# Altium PCB SPEC-A7.PcbDoc (part 3 of 10)
Units mil, origin at the board's own origin, x right, y up, seen from the top; angles counter-clockwise.
Board outline 6299.21 x 3937.01 mil, 6 copper layers (Top Layer, L2, L3, L4, L5, Bottom Layer), stack 61.319 mil thick; 731 components, 479 nets, 2733 pads, 1703 vias.
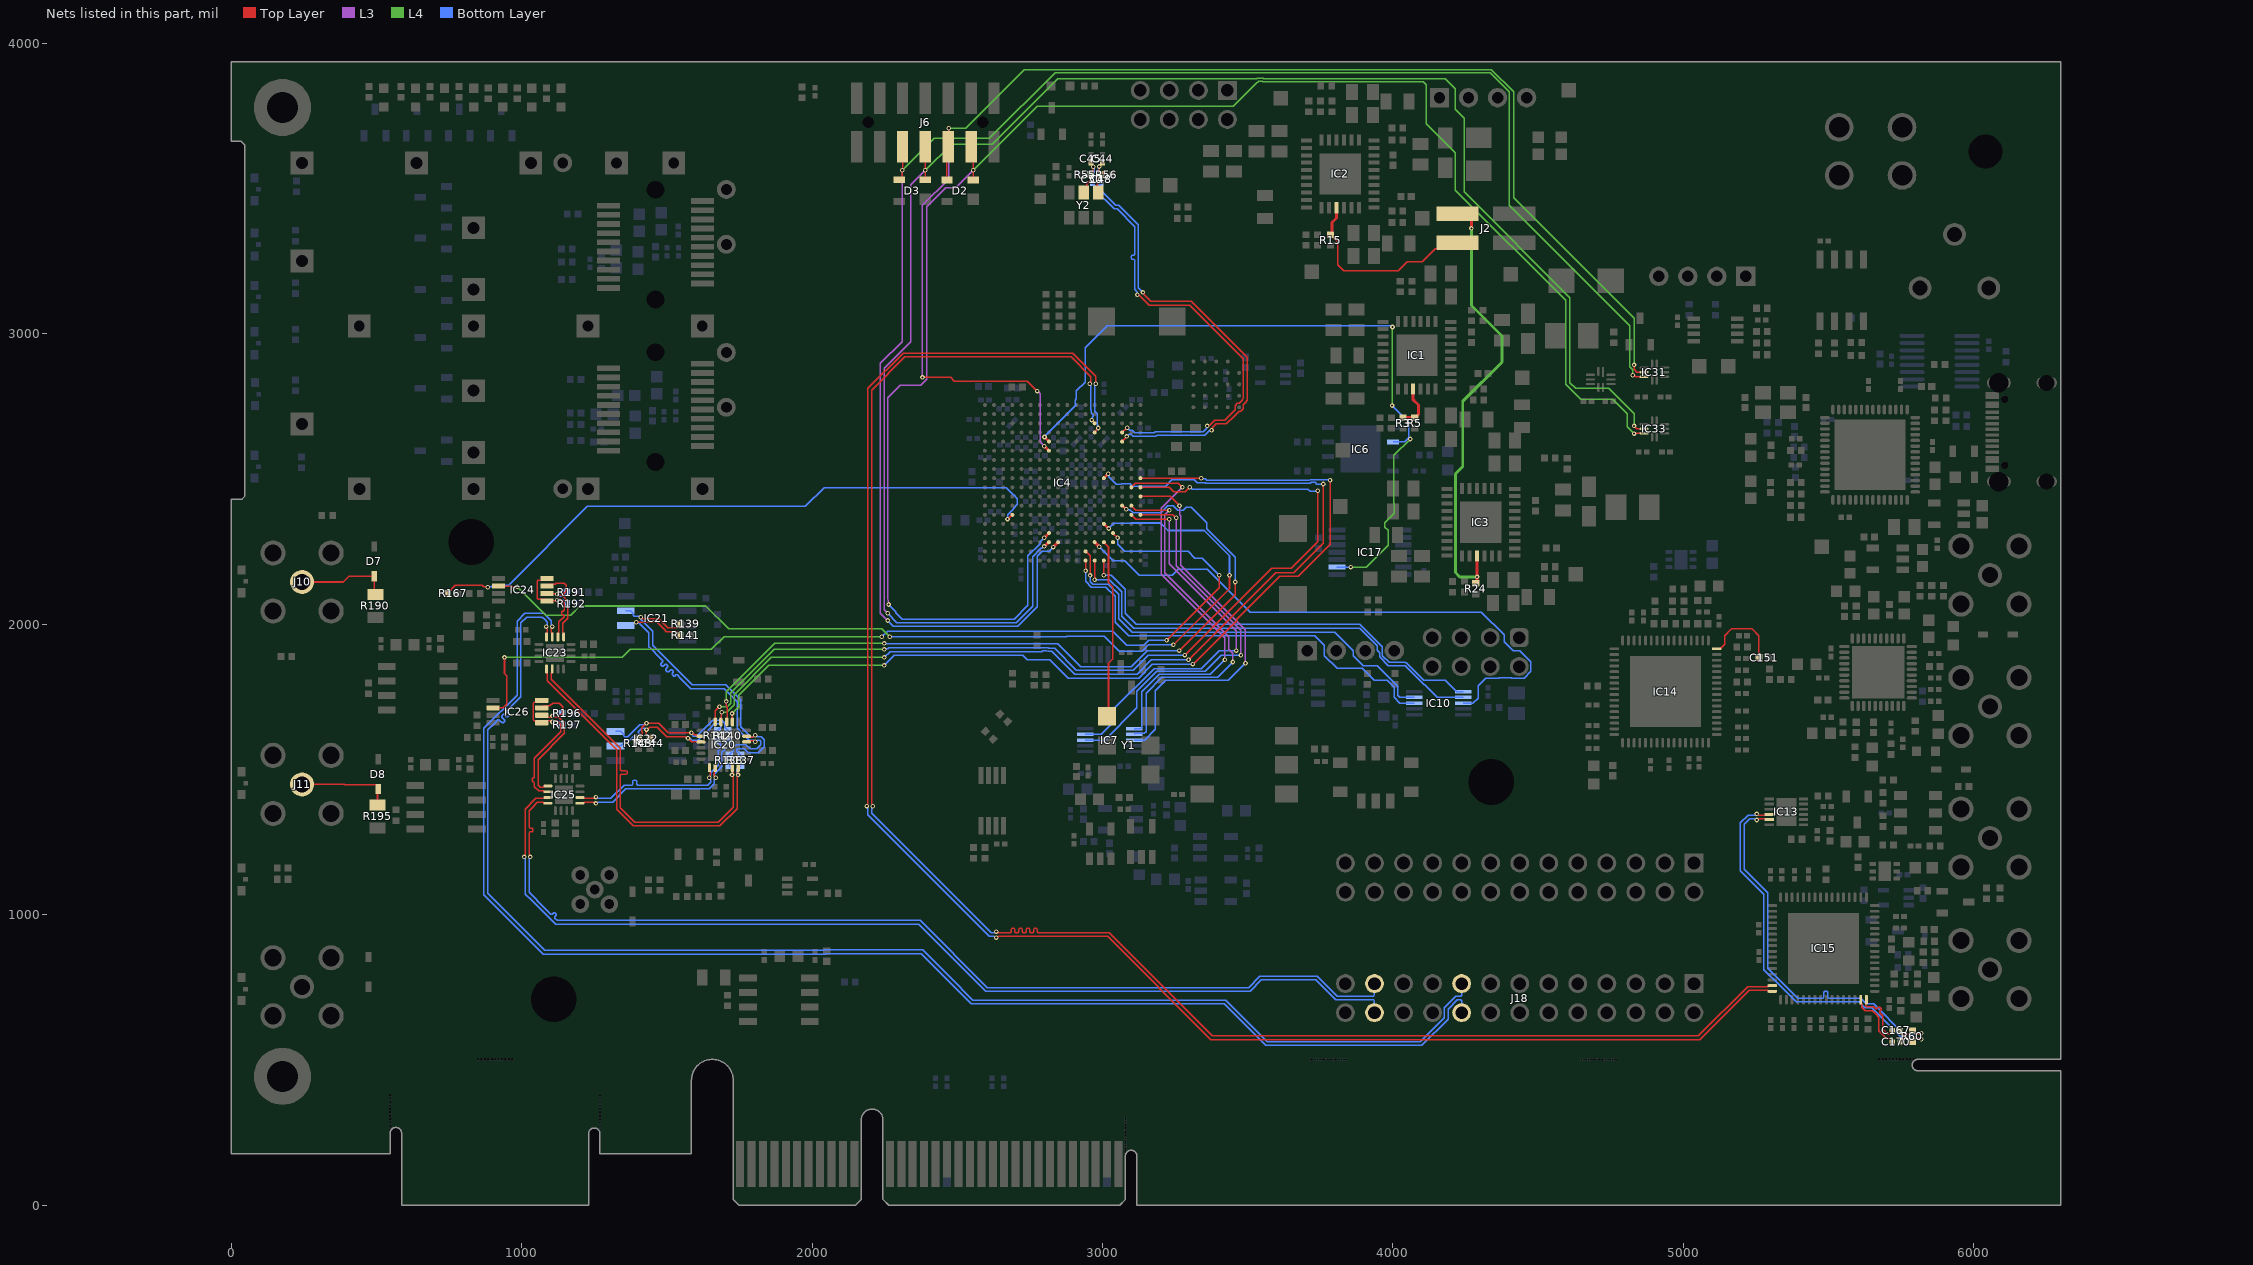
[diagram p7: the nets of this part, all layers, seen from the top]

## Part data (continued)
R1 R2 R6 R10 R17 R19 R26 R28 R44 R58 R63 R64 R65 R79 R125 R126 R127 R128 R129 R130 R137 R138 R139 R140 R141 R142 R143 R144 R147 R155 R156 R157 R158 R167 R168 R171 R172 R173 R174 R176 R193 R198: library part R0402_0R_JUMPER, "Resistor", Case=0402, Manufacturer=GENERIC, Manufacturer1 ComponentHeight=0.4mm, Manufacturer1 Example="YAGEO PHYCOMP", Manufacturer1 Part Number=232270591001L, Author="CERN DEM JLC", Component Type=Standard, CreateDate=03.12.2007, HelpURL=\\cern.ch\dfs\Applications\Altium\Datasheets\R0402_Phycomp_RC0402.pdf, LatestRevisionDate=17.10.2012, Manufacturer Part Number=R0402_0R_JUMPER, Mounted=Yes, Part Description="1A (0.05R Max DC Resistance) Zero Ohm Jumper", Part Number=R0402_0R_JUMPER, Pin Count=2, PressFit=No, Sense=No, SMD=Yes, Socket=No, Status="Not Recommended"
  R44 R147 R171 R172 R173 R174 R176: ClassName=Artix
R3: library part R0402_20K_1%_0.0625W_100PPM, "Resistor - 1%", Case=0402, Manufacturer=GENERIC, Manufacturer1 ComponentHeight=0.4mm, Manufacturer1 Example="YAGEO PHYCOMP", Manufacturer1 Part Number=232270672003L, Power=0.0625W, Tolerance=±1%, Author="CERN DEM JLC", Component Type=Standard, CreateDate=03.12.2007, HelpURL=\\cern.ch\dfs\Applications\Altium\Datasheets\R0402_Phycomp_RC0402.pdf, LatestRevisionDate=17.10.2012, Manufacturer Part Number=R0402_20K_1%_0.0625W_100PPM, Mounted=Yes, Part Description="General Purpose Thick Film Chip Resistor", Part Number=R0402_20K_1%_0.0625W_100PPM, Pin Count=2, PressFit=No, Sense=No, SMD=Yes, Socket=No, Status="Not Recommended", TC=±100ppm/°C
R4 R5 R7 R8 R11 R15 R16 R20 R21 R24 R43 R49 R94 R95 R96 R98 R100 R101 R102 R103 R107 R108 R109 R110 R111 R114 R116 R117 R118 R119 R120 R135 R136 R145 R146: library part R0402_10K_1%_0.0625W_100PPM, "Resistor - 1%", Case=0402, Manufacturer=GENERIC, Manufacturer1 ComponentHeight=0.4mm, Manufacturer1 Example="YAGEO PHYCOMP", Manufacturer1 Part Number=232270671003L, Power=0.0625W, Tolerance=±1%, Author="CERN DEM JLC", Component Type=Standard, CreateDate=03.12.2007, HelpURL=\\cern.ch\dfs\Applications\Altium\Datasheets\R0402_Phycomp_RC0402.pdf, LatestRevisionDate=17.10.2012, Manufacturer Part Number=R0402_10K_1%_0.0625W_100PPM, Mounted=Yes, Part Description="General Purpose Thick Film Chip Resistor", Part Number=R0402_10K_1%_0.0625W_100PPM, Pin Count=2, PressFit=No, Sense=No, SMD=Yes, Socket=No, Status="Not Recommended", TC=±100ppm/°C
  R43 R49: ClassName=FPGA_JTAG
R9 R12 R14 R18 R39: library part R0402_15K_1%_0.0625W_100PPM, "Resistor - 1%", Case=0402, Manufacturer=GENERIC, Manufacturer1 ComponentHeight=0.4mm, Manufacturer1 Example=VISHAY, Manufacturer1 Part Number=CRCW040215K0FK, Power=0.0625W, Tolerance=±1%, Author="CERN DEM JMW", Component Type=Standard, CreateDate=06.07.2015, HelpURL="\\cern.ch\dfs\Applications\Altium\Datasheets\R0402_VISHAY_CRCW e3.pdf", LatestRevisionDate=06.07.2015, Manufacturer Part Number=R0402_15K_1%_0.0625W_100PPM, Mounted=Yes, Part Description="General Purpose Thick Film Chip Resistor", Part Number=R0402_15K_1%_0.0625W_100PPM, Pin Count=2, PressFit=No, Sense=No, SMD=Yes, Socket=No, Status=Preferred, TC=±100ppm/°C
R13 R25: library part R0402_7K5_1%_0.0625W_100PPM, "Resistor - 1%", Case=0402, Manufacturer=GENERIC, Manufacturer1 ComponentHeight=0.4mm, Manufacturer1 Example="YAGEO PHYCOMP", Manufacturer1 Part Number=232270677502L, Power=0.0625W, Tolerance=±1%, Author="CERN DEM JLC", Component Type=Standard, CreateDate=03.12.2007, HelpURL=\\cern.ch\dfs\Applications\Altium\Datasheets\R0402_Phycomp_RC0402.pdf, LatestRevisionDate=17.10.2012, Manufacturer Part Number=R0402_7K5_1%_0.0625W_100PPM, Mounted=Yes, Part Description="General Purpose Thick Film Chip Resistor", Part Number=R0402_7K5_1%_0.0625W_100PPM, Pin Count=2, PressFit=No, Sense=No, SMD=Yes, Socket=No, Status="Not Recommended", TC=±100ppm/°C
R22 R29: library part R0402_11K_1%_0.0625W_100PPM, "Resistor - 1%", Case=0402, Manufacturer=GENERIC, Manufacturer1 ComponentHeight=0.4mm, Manufacturer1 Example="YAGEO PHYCOMP", Manufacturer1 Part Number=232270671103L, Power=0.0625W, Tolerance=±1%, Author="CERN DEM JLC", Component Type=Standard, CreateDate=03.12.2007, HelpURL=\\cern.ch\dfs\Applications\Altium\Datasheets\R0402_Phycomp_RC0402.pdf, LatestRevisionDate=17.10.2012, Manufacturer Part Number=R0402_11K_1%_0.0625W_100PPM, Mounted=Yes, Part Description="General Purpose Thick Film Chip Resistor", Part Number=R0402_11K_1%_0.0625W_100PPM, Pin Count=2, PressFit=No, Sense=No, SMD=Yes, Socket=No, Status="Not Recommended", TC=±100ppm/°C
R23: library part R0402_1K5_1%_0.0625W_100PPM, "Resistor - 1%", Case=0402, Manufacturer=GENERIC, Manufacturer1 ComponentHeight=0.4mm, Manufacturer1 Example="YAGEO PHYCOMP", Manufacturer1 Part Number=232270671502L, Power=0.0625W, Tolerance=±1%, Author="CERN DEM JLC", Component Type=Standard, CreateDate=03.12.2007, HelpURL=\\cern.ch\dfs\Applications\Altium\Datasheets\R0402_Phycomp_RC0402.pdf, LatestRevisionDate=17.10.2012, Manufacturer Part Number=R0402_1K5_1%_0.0625W_100PPM, Mounted=Yes, Part Description="General Purpose Thick Film Chip Resistor", Part Number=R0402_1K5_1%_0.0625W_100PPM, Pin Count=2, PressFit=No, Sense=No, SMD=Yes, Socket=No, Status="Not Recommended", TC=±100ppm/°C
R27: library part R0402_24K_1%_0.0625W_100PPM, "Resistor - 1%", Case=0402, Manufacturer=GENERIC, Manufacturer1 ComponentHeight=0.4mm, Manufacturer1 Example="YAGEO PHYCOMP", Manufacturer1 Part Number=232270672403L, Power=0.0625W, Tolerance=±1%, Author="CERN DEM JLC", Component Type=Standard, CreateDate=03.12.2007, HelpURL=\\cern.ch\dfs\Applications\Altium\Datasheets\R0402_Phycomp_RC0402.pdf, LatestRevisionDate=17.10.2012, Manufacturer Part Number=R0402_24K_1%_0.0625W_100PPM, Mounted=Yes, Part Description="General Purpose Thick Film Chip Resistor", Part Number=R0402_24K_1%_0.0625W_100PPM, Pin Count=2, PressFit=No, Sense=No, SMD=Yes, Socket=No, Status="Not Recommended", TC=±100ppm/°C
R30 R32 R33 R34 R35: library part R0402_10k_1%_0.0625W_100PPM, "Resistor - 1%", Case=0402, Manufacturer=GENERIC, Manufacturer1 ComponentHeight=0.4mm, Manufacturer1 Example="YAGEO PHYCOMP", Manufacturer1 Part Number=232270671003L, Manufacturer Part Number=R0402_10K_1%_0.0625W_100PPM, Power=0.0625W, Tolerance=±1%, Author="CERN DEM JLC", Component Type=Standard, CreateDate=03.12.2007, HelpURL=\\cern.ch\dfs\Applications\Altium\Datasheets\R0402_Phycomp_RC0402.pdf, LatestRevisionDate=17.10.2012, Mounted=Yes, Part Description="General Purpose Thick Film Chip Resistor", Part Number=R0402_10K_1%_0.0625W_100PPM, Pin Count=2, PressFit=No, Sense=No, SMD=Yes, Socket=No, Status="Not Recommended", TC=±100ppm/°C
R31 R45 R46 R47 R54 R113 R124 R152 R153 R177 R178: library part R0402_4K7_1%_0.0625W_100PPM, "Resistor - 1%", Case=0402, Manufacturer=GENERIC, Manufacturer1 ComponentHeight=0.4mm, Manufacturer1 Example="YAGEO PHYCOMP", Manufacturer1 Part Number=232270674702L, Power=0.0625W, Tolerance=±1%, Author="CERN DEM JLC", Component Type=Standard, CreateDate=03.12.2007, HelpURL=\\cern.ch\dfs\Applications\Altium\Datasheets\R0402_Phycomp_RC0402.pdf, LatestRevisionDate=17.10.2012, Manufacturer Part Number=R0402_4K7_1%_0.0625W_100PPM, Mounted=Yes, Part Description="General Purpose Thick Film Chip Resistor", Part Number=R0402_4K7_1%_0.0625W_100PPM, Pin Count=2, PressFit=No, Sense=No, SMD=Yes, Socket=No, Status="Not Recommended", TC=±100ppm/°C
R36 R48 R169 R170: library part R0402_1k_1%_0.0625W_100PPM, "Resistor - 1%", Case=0402, Manufacturer=GENERIC, Manufacturer1 ComponentHeight=0.4mm, Manufacturer1 Example="YAGEO PHYCOMP", Manufacturer1 Part Number=232270671002L, Manufacturer Part Number=R0402_1K_1%_0.0625W_100PPM, Power=0.0625W, Tolerance=±1%, Author="CERN DEM JLC", Component Type=Standard, CreateDate=03.12.2007, HelpURL=\\cern.ch\dfs\Applications\Altium\Datasheets\R0402_Phycomp_RC0402.pdf, LatestRevisionDate=17.10.2012, Mounted=Yes, Part Description="General Purpose Thick Film Chip Resistor", Part Number=R0402_1K_1%_0.0625W_100PPM, Pin Count=2, PressFit=No, Sense=No, SMD=Yes, Socket=No, Status="Not Recommended", TC=±100ppm/°C
  R48 R170: ClassName=Artix
R37 R40 R41 R121 R122: library part R0402_2K2_1%_0.0625W_100PPM, "Resistor - 1%", Case=0402, Manufacturer=GENERIC, Manufacturer1 ComponentHeight=0.4mm, Manufacturer1 Example="YAGEO PHYCOMP", Manufacturer1 Part Number=232270672202L, Power=0.0625W, Tolerance=±1%, Author="CERN DEM JLC", Component Type=Standard, CreateDate=03.12.2007, HelpURL=\\cern.ch\dfs\Applications\Altium\Datasheets\R0402_Phycomp_RC0402.pdf, LatestRevisionDate=17.10.2012, Manufacturer Part Number=R0402_2K2_1%_0.0625W_100PPM, Mounted=Yes, Part Description="General Purpose Thick Film Chip Resistor", Part Number=R0402_2K2_1%_0.0625W_100PPM, Pin Count=2, PressFit=No, Sense=No, SMD=Yes, Socket=No, Status="Not Recommended", TC=±100ppm/°C
R38: library part R0402_68K_1%_0.0625W_100PPM, "Resistor - 1%", Case=0402, Manufacturer=GENERIC, Manufacturer1 ComponentHeight=0.4mm, Manufacturer1 Example="YAGEO PHYCOMP", Manufacturer1 Part Number=232270676803L, Power=0.0625W, Tolerance=±1%, Author="CERN DEM JLC", Component Type=Standard, CreateDate=03.12.2007, HelpURL=\\cern.ch\dfs\Applications\Altium\Datasheets\R0402_Phycomp_RC0402.pdf, LatestRevisionDate=17.10.2012, Manufacturer Part Number=R0402_68K_1%_0.0625W_100PPM, Mounted=Yes, Part Description="General Purpose Thick Film Chip Resistor", Part Number=R0402_68K_1%_0.0625W_100PPM, Pin Count=2, PressFit=No, Sense=No, SMD=Yes, Socket=No, Status="Not Recommended", TC=±100ppm/°C
R42 R51 R52 R57 R60 R62 R80 R83 R85 R88 R93 R123 R148 R150 R151 R165 R166: library part R0402_100R_1%_0.0625W_100PPM, "Resistor - 1%", Case=0402, Manufacturer=GENERIC, Manufacturer1 ComponentHeight=0.4mm, Manufacturer1 Example="YAGEO PHYCOMP", Manufacturer1 Part Number=232270671001L, Power=0.0625W, Tolerance=±1%, Author="CERN DEM JLC", Component Type=Standard, CreateDate=03.12.2007, HelpURL=\\cern.ch\dfs\Applications\Altium\Datasheets\R0402_Phycomp_RC0402.pdf, LatestRevisionDate=17.10.2012, Manufacturer Part Number=R0402_100R_1%_0.0625W_100PPM, Mounted=Yes, Part Description="General Purpose Thick Film Chip Resistor", Part Number=R0402_100R_1%_0.0625W_100PPM, Pin Count=2, PressFit=No, Sense=No, SMD=Yes, Socket=No, Status="Not Recommended", TC=±100ppm/°C
R50 R59 R61: library part R0402_300R_1%_0.0625W_100PPM, "Resistor - 1%", Case=0402, Manufacturer=GENERIC, Manufacturer1 ComponentHeight=0.4mm, Manufacturer1 Example="YAGEO PHYCOMP", Manufacturer1 Part Number=232270673001L, Power=0.0625W, Tolerance=±1%, Author="CERN DEM JLC", Component Type=Standard, CreateDate=03.12.2007, HelpURL=\\cern.ch\dfs\Applications\Altium\Datasheets\R0402_Phycomp_RC0402.pdf, LatestRevisionDate=17.10.2012, Manufacturer Part Number=R0402_300R_1%_0.0625W_100PPM, Mounted=Yes, Part Description="General Purpose Thick Film Chip Resistor", Part Number=R0402_300R_1%_0.0625W_100PPM, Pin Count=2, PressFit=No, Sense=No, SMD=Yes, Socket=No, Status="Not Recommended", TC=±100ppm/°C
R53 R76 R77 R86 R87 R89 R90 R191 R192 R194 R196 R197 R199: library part R0402_49R9_1%_0.0625W_100PPM, "Resistor - 1%", Case=0402, Manufacturer=GENERIC, Manufacturer1 ComponentHeight=0.4mm, Manufacturer1 Example="YAGEO PHYCOMP", Manufacturer1 Part Number="232270674999L or RC0402FR-0749R9L", Power=0.0625W, Tolerance=±1%, Author="CERN DEM JLC", Component Type=Standard, CreateDate=24.10.2012, HelpURL=\\cern.ch\dfs\Applications\Altium\Datasheets\R0402_Phycomp_RC0402.pdf, LatestRevisionDate=24.10.2012, Manufacturer Part Number=R0402_49R9_1%_0.0625W_100PPM, Mounted=Yes, Part Description="General Purpose Thick Film Chip Resistor", Part Number=R0402_49R9_1%_0.0625W_100PPM, Pin Count=2, PressFit=No, Sense=No, SMD=Yes, Socket=No, Status="Not Recommended", TC=±100ppm/°C
R55 R56: library part R0402_120R_1%_0.0625W_100PPM, "Resistor - 1%", Case=0402, Manufacturer=GENERIC, Manufacturer1 ComponentHeight=0.4mm, Manufacturer1 Example="YAGEO PHYCOMP", Manufacturer1 Part Number=232270671201L, Power=0.0625W, Tolerance=±1%, Author="CERN DEM JLC", Component Type=Standard, CreateDate=03.12.2007, HelpURL=\\cern.ch\dfs\Applications\Altium\Datasheets\R0402_Phycomp_RC0402.pdf, LatestRevisionDate=17.10.2012, Manufacturer Part Number=R0402_120R_1%_0.0625W_100PPM, Mounted=Yes, Part Description="General Purpose Thick Film Chip Resistor", Part Number=R0402_120R_1%_0.0625W_100PPM, Pin Count=2, PressFit=No, Sense=No, SMD=Yes, Socket=No, Status="Not Recommended", TC=±100ppm/°C
R66 R67 R70 R104 R105 R106: library part R0402_5K1_1%_0.0625W_100PPM, "Resistor - 1%", Case=0402, Manufacturer=GENERIC, Manufacturer1 ComponentHeight=0.4mm, Manufacturer1 Example="YAGEO PHYCOMP", Manufacturer1 Part Number=232270675102L, Power=0.0625W, Tolerance=±1%, Author="CERN DEM JLC", Component Type=Standard, CreateDate=03.12.2007, HelpURL=\\cern.ch\dfs\Applications\Altium\Datasheets\R0402_Phycomp_RC0402.pdf, LatestRevisionDate=17.10.2012, Manufacturer Part Number=R0402_5K1_1%_0.0625W_100PPM, Mounted=Yes, Part Description="General Purpose Thick Film Chip Resistor", Part Number=R0402_5K1_1%_0.0625W_100PPM, Pin Count=2, PressFit=No, Sense=No, SMD=Yes, Socket=No, Status="Not Recommended", TC=±100ppm/°C
R68 R69 R71: library part R0402_4K12_1%_0.0625W_100PPM, "Resistor - 1%", Case=0402, Manufacturer=GENERIC, Manufacturer1 ComponentHeight=0.4mm, Manufacturer1 Example="YAGEO PHYCOMP", Manufacturer1 Part Number="232270674122L or RC0402FR-074K12L", Power=0.0625W, Tolerance=±1%, Author="CERN DEM JLC", Component Type=Standard, CreateDate=24.10.2012, HelpURL=\\cern.ch\dfs\Applications\Altium\Datasheets\R0402_Phycomp_RC0402.pdf, LatestRevisionDate=24.10.2012, Manufacturer Part Number=R0402_4K12_1%_0.0625W_100PPM, Mounted=Yes, Part Description="General Purpose Thick Film Chip Resistor", Part Number=R0402_4K12_1%_0.0625W_100PPM, Pin Count=2, PressFit=No, Sense=No, SMD=Yes, Socket=No, Status="Not Recommended", TC=±100ppm/°C
R72: library part R0402_750R_1%_0.0625W_100PPM, "Resistor - 1%", Case=0402, Manufacturer=GENERIC, Manufacturer1 ComponentHeight=0.4mm, Manufacturer1 Example="YAGEO PHYCOMP", Manufacturer1 Part Number=232270677501L, Power=0.0625W, Tolerance=±1%, Author="CERN DEM JLC", Component Type=Standard, CreateDate=03.12.2007, HelpURL=\\cern.ch\dfs\Applications\Altium\Datasheets\R0402_Phycomp_RC0402.pdf, LatestRevisionDate=17.10.2012, Manufacturer Part Number=R0402_750R_1%_0.0625W_100PPM, Mounted=Yes, Part Description="General Purpose Thick Film Chip Resistor", Part Number=R0402_750R_1%_0.0625W_100PPM, Pin Count=2, PressFit=No, Sense=No, SMD=Yes, Socket=No, Status="Not Recommended", TC=±100ppm/°C
R73: library part R0402_820R_1%_0.0625W_100PPM, "Resistor - 1%", Case=0402, Manufacturer=GENERIC, Manufacturer1 ComponentHeight=0.4mm, Manufacturer1 Example="YAGEO PHYCOMP", Manufacturer1 Part Number=232270678201L, Power=0.0625W, Tolerance=±1%, Author="CERN DEM JLC", Component Type=Standard, CreateDate=03.12.2007, HelpURL=\\cern.ch\dfs\Applications\Altium\Datasheets\R0402_Phycomp_RC0402.pdf, LatestRevisionDate=17.10.2012, Manufacturer Part Number=R0402_820R_1%_0.0625W_100PPM, Mounted=Yes, Part Description="General Purpose Thick Film Chip Resistor", Part Number=R0402_820R_1%_0.0625W_100PPM, Pin Count=2, PressFit=No, Sense=No, SMD=Yes, Socket=No, Status="Not Recommended", TC=±100ppm/°C
R74: library part R0402_390R_1%_0.0625W_100PPM, "Resistor - 1%", Case=0402, Manufacturer=GENERIC, Manufacturer1 ComponentHeight=0.4mm, Manufacturer1 Example="YAGEO PHYCOMP", Manufacturer1 Part Number=232270673901L, Power=0.0625W, Tolerance=±1%, Author="CERN DEM JLC", Component Type=Standard, CreateDate=03.12.2007, HelpURL=\\cern.ch\dfs\Applications\Altium\Datasheets\R0402_Phycomp_RC0402.pdf, LatestRevisionDate=17.10.2012, Manufacturer Part Number=R0402_390R_1%_0.0625W_100PPM, Mounted=Yes, Part Description="General Purpose Thick Film Chip Resistor", Part Number=R0402_390R_1%_0.0625W_100PPM, Pin Count=2, PressFit=No, Sense=No, SMD=Yes, Socket=No, Status="Not Recommended", TC=±100ppm/°C
R75: library part R0603_2K7_1%_0.1W_100PPM, "Resistor - 1%", Case=0603, Manufacturer=GENERIC, Manufacturer1 ComponentHeight=0.55mm, Manufacturer1 Example="YAGEO PHYCOMP", Manufacturer1 Part Number=RC0603FR-072K7L, Power=0.1W, Tolerance=±1%, Author="CERN DEM JLC", Component Type=Standard, CreateDate=02.05.2011, HelpURL=\\cern.ch\dfs\Applications\Altium\Datasheets\R0603_PHYCOMP_RC0603.pdf, LatestRevisionDate=02.05.2011, Manufacturer Part Number=R0603_2K7_1%_0.1W_100PPM, Mounted=Yes, Part Description="General Purpose Thick Film Chip Resistor", Part Number=R0603_2K7_1%_0.1W_100PPM, Pin Count=2, PressFit=No, Sense=No, SMD=Yes, Socket=No, Status=Preferred, TC=±100ppm/°C
R78 R179 R180 R181 R182 R183 R184 R185: library part R0805_0R_JUMPER, "MSMA0805R0010FSM", Case=0805, Manufacturer=GENERIC, Manufacturer1 ComponentHeight=0.6mm, Manufacturer1 Example="NIC COMPONENT", Manufacturer1 Part Number=NRC10Z0, Author="CERN DEM JLC", Component Type=Standard, CreateDate=03.12.2007, HelpURL=\\cern.ch\dfs\Applications\Altium\Datasheets\R0805_NIC_NRC.pdf, LatestRevisionDate=13.03.2008, Manufacturer Part Number=R0805_0R_JUMPER, Mounted=Yes, Part Description="2A (0.05R Max DC Resistance) Zero Ohm Jumper", Part Number=MSMA0805R0010FSM, Pin Count=2, PressFit=No, Sense=No, SMD=Yes, Socket=No, Status=Preferred
R81 R82: library part R0402_330R_1%_0.0625W_100PPM, "Resistor - 1%", Case=0402, Manufacturer=GENERIC, Manufacturer1 ComponentHeight=0.4mm, Manufacturer1 Example="YAGEO PHYCOMP", Manufacturer1 Part Number=232270673301L, Power=0.0625W, Tolerance=±1%, Author="CERN DEM JLC", Component Type=Standard, CreateDate=03.12.2007, HelpURL=\\cern.ch\dfs\Applications\Altium\Datasheets\R0402_Phycomp_RC0402.pdf, LatestRevisionDate=17.10.2012, Manufacturer Part Number=R0402_330R_1%_0.0625W_100PPM, Mounted=Yes, Part Description="General Purpose Thick Film Chip Resistor", Part Number=R0402_330R_1%_0.0625W_100PPM, Pin Count=2, PressFit=No, Sense=No, SMD=Yes, Socket=No, Status="Not Recommended", TC=±100ppm/°C
R84 R91 R92 R149: library part R0402_22R_1%_0.0625W_100PPM, "Resistor - 1%", Case=0402, Manufacturer=GENERIC, Manufacturer1 ComponentHeight=0.4mm, Manufacturer1 Example="YAGEO PHYCOMP", Manufacturer1 Part Number=232270672209L, Power=0.0625W, Tolerance=±1%, Author="CERN DEM JLC", Component Type=Standard, CreateDate=03.12.2007, HelpURL=\\cern.ch\dfs\Applications\Altium\Datasheets\R0402_Phycomp_RC0402.pdf, LatestRevisionDate=17.10.2012, Manufacturer Part Number=R0402_22R_1%_0.0625W_100PPM, Mounted=Yes, Part Description="General Purpose Thick Film Chip Resistor", Part Number=R0402_22R_1%_0.0625W_100PPM, Pin Count=2, PressFit=No, Sense=No, SMD=Yes, Socket=No, Status="Not Recommended", TC=±100ppm/°C
R97 R99 R131 R132 R133 R134 R186 R187 R188 R189: library part R0402_240R_1%_0.0625W_100PPM, "Resistor - 1%", Case=0402, Manufacturer=GENERIC, Manufacturer1 ComponentHeight=0.4mm, Manufacturer1 Example="YAGEO PHYCOMP", Manufacturer1 Part Number=232270672401L, Power=0.0625W, Tolerance=±1%, Author="CERN DEM JLC", Component Type=Standard, CreateDate=03.12.2007, HelpURL=\\cern.ch\dfs\Applications\Altium\Datasheets\R0402_Phycomp_RC0402.pdf, LatestRevisionDate=17.10.2012, Manufacturer Part Number=R0402_240R_1%_0.0625W_100PPM, Mounted=Yes, Part Description="General Purpose Thick Film Chip Resistor", Part Number=R0402_240R_1%_0.0625W_100PPM, Pin Count=2, PressFit=No, Sense=No, SMD=Yes, Socket=No, Status="Not Recommended", TC=±100ppm/°C
R112: library part R0402_12K_1%_0.0625W_100PPM, "Resistor - 1%", Case=0402, Manufacturer=GENERIC, Manufacturer1 ComponentHeight=0.4mm, Manufacturer1 Example="YAGEO PHYCOMP", Manufacturer1 Part Number=232270671203L, Power=0.0625W, Tolerance=±1%, Author="CERN DEM JLC", Component Type=Standard, CreateDate=03.12.2007, HelpURL=\\cern.ch\dfs\Applications\Altium\Datasheets\R0402_Phycomp_RC0402.pdf, LatestRevisionDate=17.10.2012, Manufacturer Part Number=R0402_12K_1%_0.0625W_100PPM, Mounted=Yes, Part Description="General Purpose Thick Film Chip Resistor", Part Number=R0402_12K_1%_0.0625W_100PPM, Pin Count=2, PressFit=No, Sense=No, SMD=Yes, Socket=No, Status="Not Recommended", TC=±100ppm/°C
R115: library part R0402_200K_1%_0.0625W_100PPM, "Resistor - 1%", Case=0402, Manufacturer=GENERIC, Manufacturer1 ComponentHeight=0.4mm, Manufacturer1 Example="YAGEO PHYCOMP", Manufacturer1 Part Number=232270672004L, Power=0.0625W, Tolerance=±1%, Author="CERN DEM JLC", Component Type=Standard, CreateDate=03.12.2007, HelpURL=\\cern.ch\dfs\Applications\Altium\Datasheets\R0402_Phycomp_RC0402.pdf, LatestRevisionDate=17.10.2012, Manufacturer Part Number=R0402_200K_1%_0.0625W_100PPM, Mounted=Yes, Part Description="General Purpose Thick Film Chip Resistor", Part Number=R0402_200K_1%_0.0625W_100PPM, Pin Count=2, PressFit=No, Sense=No, SMD=Yes, Socket=No, Status="Not Recommended", TC=±100ppm/°C
R154 R190 R195: library part R0805_33R_1%_0.125W_100PPM, "Resistor - 1%", Case=0805, Manufacturer=GENERIC, Manufacturer1 ComponentHeight=0.6mm, Manufacturer1 Example="NIC COMPONENT", Manufacturer1 Part Number=NRC10F33R0TRF, Power=0.125W, Tolerance=±1%, Author="CERN DEM JLC", Component Type=Standard, CreateDate=03.12.2007, HelpURL=\\cern.ch\dfs\Applications\Altium\Datasheets\R0805_NIC_NRC.pdf, LatestRevisionDate=13.03.2008, Manufacturer Part Number=R0805_33R_1%_0.125W_100PPM, Mounted=Yes, Part Description="General Purpose Thick Film Chip Resistor", Part Number=R0805_33R_1%_0.125W_100PPM, Pin Count=2, PressFit=No, Sense=No, SMD=Yes, Socket=No, Status=Preferred, TC=±100ppm/°C
R159 R160 R161 R162 R163 R164: library part R0402_33R_1%_0.0625W_100PPM, "Resistor - 1%", Case=0402, Manufacturer=GENERIC, Manufacturer1 ComponentHeight=0.4mm, Manufacturer1 Example="YAGEO PHYCOMP", Manufacturer1 Part Number=232270673309L, Power=0.0625W, Tolerance=±1%, Author="CERN DEM JLC", Component Type=Standard, CreateDate=03.12.2007, HelpURL=\\cern.ch\dfs\Applications\Altium\Datasheets\R0402_Phycomp_RC0402.pdf, LatestRevisionDate=17.10.2012, Manufacturer Part Number=R0402_33R_1%_0.0625W_100PPM, Mounted=Yes, Part Description="General Purpose Thick Film Chip Resistor", Part Number=R0402_33R_1%_0.0625W_100PPM, Pin Count=2, PressFit=No, Sense=No, SMD=Yes, Socket=No, Status="Not Recommended", TC=±100ppm/°C
R175 R200: library part R0402_27R_1%_0.0625W_100PPM, "Resistor - 1%", Case=0402, Manufacturer=GENERIC, Manufacturer1 ComponentHeight=0.4mm, Manufacturer1 Example="YAGEO PHYCOMP", Manufacturer1 Part Number=232270672709L, Power=0.0625W, Tolerance=±1%, Author="CERN DEM JLC", Component Type=Standard, CreateDate=03.12.2007, HelpURL=\\cern.ch\dfs\Applications\Altium\Datasheets\R0402_Phycomp_RC0402.pdf, LatestRevisionDate=17.10.2012, Manufacturer Part Number=R0402_27R_1%_0.0625W_100PPM, Mounted=Yes, Part Description="General Purpose Thick Film Chip Resistor", Part Number=R0402_27R_1%_0.0625W_100PPM, Pin Count=2, PressFit=No, Sense=No, SMD=Yes, Socket=No, Status="Not Recommended", TC=±100ppm/°C
T1 T2 T3 T4 T5 T6 T7 T8 T9 T10 T11 T12 T13 T14: "N-CHANNEL MOSFET WITH DIODE", Case=SOT23-3, Manufacturer=NEXPERIA, Author="CERN DEM JLC", Bonding=No, Component Type=Standard, ComponentHeight=1.1mm, CreateDate=16.03.2010, Device=BSH103, HelpURL=\\cern.ch\dfs\Applications\Altium\Datasheets\BSH103.pdf, LatestRevisionDate=20.06.2017, Manufacturer Part Number=BSH103, Mounted=Yes, PackageDescription="SOT23, 3 pin, Pitch 0.95mm - 1.3mm W X 2.9mm L X 1.1mm H, IPC Medium Density", Part Description="30V 850mA N-Channel Enhancement Mode Field-Effect Transistor", Part Number=BSH103, Pin Count=3, PressFit=No, Sense=No, SMD=Yes, Socket=No
  T6: ClassName=Artix
TP1 TP2 TP3 TP4 TP5 TP6 TP7 TP8 TP9 TP10 TP11 TP12 TP14 TP15 TP16 TP17: library part SMD_PAD_1.27X1.27MM, Author="CERN DEM JLC", Component Type="Standard (No BOM)", ComponentHeight=0mm, CreateDate=12.01.2008, Family="Test Point", HelpURL=Undefined, LatestRevisionDate=12.01.2008, Mounted=No, PackageDescription="1.27mm x 1.27mm PCB Copper Area (SMD Test Point)", Part Description="1.27mm x 1.27mm PCB Copper Area (SMD Test Point)", Part Number=SMD_PAD_1.27X1.27MM, Pin Count=1, Sense=No, SMD=Yes, Socket=No, Status=None
TR1: library part XFMR_COILCRAFT_WBC16-1TLB, "SMT Transformer WBC Series Type B Pinout", Manufacturer=COILCRAFT, Manufacturer Part Number=WBC16-1TL, Author="CERN DEM JLC", Component Type=Standard, ComponentHeight=3.05mm, CreateDate=27.09.2016, HelpURL=\\cern.ch\dfs\Applications\Altium\Datasheets\XFMR_COILCRAFT_WBC.pdf, LatestRevisionDate=27.09.2016, Mounted=Yes, Part Description="Surface Mount Mini Wideband Transformer, WBC Series (Violet Dot)", Part Number=XFMR_COILCRAFT_WBC16-1TLB, Pin Count=6, Sense=No, SMD=Yes, Socket=No, Status=None
W1 W2 W3: library part SAMTEC_HTSW-104-23-L-S, "4 Mini Wire-Wrap Contact Strip Header", Manufacturer=SAMTEC, Manufacturer Part Number=HTSW-104-23-L-S, Author="CERN DEM JLC", Component Type=Standard, ComponentHeight=8.38mm, CreateDate=22/02/2018, Family="Header 4", HelpURL=\\cern.ch\dfs\Applications\Altium\Datasheets\SAMTEC_HTSW-104-23-L-S.pdf, LatestRevisionDate=22/02/2018, Mounted=Yes, Part Description="4 Contacts, Pitch 2.54mm, Single Row  Through Mount Straight Header (Post Lead 5.84mm, Tail Lead 2.92mm, Insulator 2.54mm)", Part Number=SAMTEC_HTSW-104-23-L-S, Pin Count=4, PressFit=No, Sense=No, SMD=No, Socket=No, Status=Preferred, Status Comment="High Temperature"
Y1: library part CMP-25159-259533-1, "MEMS OSC VCXO 62.500000MHZ LVCMOS"
Y2: library part CMP-25159-265300-1, "MEMS OSC XO 125.0000MHZ LVPECL", RoHS Compliant=No

## Free pads (board coordinates)
  round 7.87 hole 7.87 unplated mask+0: FH(547.24,260.8) FH(547.24,272.61) FH(547.24,284.42) FH(547.24,296.24) FH(547.24,308.05) FH(547.24,319.86) FH(547.24,331.67) FH(547.24,343.48) FH(547.24,355.29) FH(547.24,367.1) FH(547.24,378.91) FH(849.41,501.95) FH(861.22,501.95) FH(873.03,501.95) FH(884.84,501.95) FH(896.65,501.95) FH(908.46,501.95) FH(920.27,501.95) FH(932.09,501.95) FH(943.9,501.95) FH(955.71,501.95) FH(967.52,501.95) FH(1269.68,260.8) FH(1269.68,272.61) FH(1269.68,284.42) FH(1269.68,296.24) FH(1269.68,308.05) FH(1269.68,319.86) FH(1269.68,331.67) FH(1269.68,343.48) FH(1269.68,355.29) FH(1269.68,367.1) FH(1269.68,378.91) FH(3078.73,182.06) FH(3078.73,193.87) FH(3078.73,205.68) FH(3078.73,217.5) FH(3078.73,229.31) FH(3078.73,241.12) FH(3078.73,252.93) FH(3078.73,264.74) FH(3078.73,276.55) FH(3078.73,288.36) FH(3078.73,300.17) FH(3716.37,501.91) FH(3728.18,501.91) FH(3739.99,501.91) FH(3751.8,501.91) FH(3763.61,501.91) FH(3775.42,501.91) FH(3787.23,501.91) FH(3799.04,501.91) FH(3810.85,501.91) FH(3822.66,501.91) FH(3834.48,501.91) FH(4649.19,501.9) FH(4661,501.9) FH(4672.81,501.9) FH(4684.62,501.9) FH(4696.43,501.9) FH(4708.24,501.9) FH(4720.05,501.9) FH(4731.87,501.9) FH(4743.68,501.9) FH(4755.49,501.9) FH(4767.3,501.9) FH(5674.31,502.06) FH(5686.12,502.06) FH(5697.93,502.06) FH(5709.75,502.06) FH(5721.56,502.06) FH(5733.37,502.06) FH(5745.18,502.06) FH(5756.99,502.06) FH(5768.8,502.06) FH(5780.61,502.06) FH(5792.42,502.06)

## Via types
v1: diameter 15.75, hole 7.87, Top Layer to Bottom Layer, tented both sides, 1583 vias
v2: diameter 19.68, hole 7.87, Top Layer to Bottom Layer, tented both sides, 73 vias
v3: diameter 15.75, hole 7.87, Top Layer to Bottom Layer, 47 vias

## Nets (pads, with @x,y where several pads share a name; then routed paths per layer and width w, separated by ;. In a path a pad name is that pad's centre, name@x,y a point inside that pad or via, vN(x,y) a via of type N, cw(c..) or ccw(c..) an arc to the next point about the centre after c; other vN are vias at no path point)
10M_OUT_SE: IC4.N4 R167.1 | length 2240.8
  Top Layer w5: R167.1@745.28,2106.3 745.28,2107.09 772.05,2133.86 864.96,2133.86 869.02,2129.79 880.78,2129.79 v1(882.83,2127.74) ; v1(2672.88,2362.2) 2673.81,2362.2 2688.6,2376.99 IC4.N4@2689.53,2376.99
  Bottom Layer w5: v1(882.83,2127.74) 884.89,2129.79 896.64,2129.79 900.71,2133.86 954.81,2133.86 1226.47,2405.51 1976.38,2405.51 2041.42,2470.56 2668.45,2470.56 2693.39,2445.62 2693.65,2445.62 2706.85,2432.42 2706.85,2412.97 2692.33,2398.45 2692.33,2396.43 2673.48,2377.58 2673.48,2362.8 v1(2672.88,2362.2)
62_5MHZ_N: IC4.C13 IC15.47 | length 6028
  Top Layer w5: 2204.83,1380.78 2204.83,2806.44 2319.21,2920.82 2892.16,2920.82 2960,2852.98 2960,2834.76 2956.13,2830.89 v1(2956.13,2827.98) ; v1(2633.86,942.01) 2636.77,942.01 2640.64,938.13 2680.17,938.13 2682.67,938.13 2685.6,941.06 2685.6,950.25 2688.18,952.82 2695.9,952.82 2698.47,950.25 2698.47,940.71 2701.05,938.13 2708.77,938.13 2711.35,940.71 2711.35,950.25 2713.92,952.82 2721.65,952.82 2724.22,950.25 2724.22,940.71 2726.8,938.13 2734.52,938.13 2737.1,940.71 2737.1,950.25 2739.67,952.82 2747.4,952.82 2749.97,950.25 2749.97,940.71 2752.55,938.13 2760.27,938.13 2762.84,940.71 2762.84,950.25 2765.42,952.82 2773.14,952.82 2775.72,950.25 2775.72,941.06 2778.65,938.13 2795.28,938.13 3022.5,938.13 3030.11,930.52 3377.95,582.68 5051.18,582.68 5221.07,752.56 5289.64,752.56 5292.98,755.91 IC15.47@5306.1,755.91 ; v1(2963.31,2703.18) 2972.99,2693.5 IC4.C13@2972.99,2691.95
  Bottom Layer w5: v1(2208.8,1373.89) 2208.8,1371.31 2204.72,1367.23 2204.72,1349.4 2615.99,938.13 v1@2627.08,938.13 ; v1@2960,2822.98 2960,2739.15 2960.37,2738.79 2960.37,2727.45 2968.15,2719.66 2968.15,2715.52 2965.37,2712.74 2965.37,2705.23 v1(2963.31,2703.18)
62_5MHZ_P: IC4.D13 IC15.48 | length 6031.6
  Top Layer w5: 2191.83,1380.9 2191.83,2811.83 2313.82,2933.82 2897.54,2933.82 2976.87,2854.49 v1(2976.87,2827.98) ; v1(2633.86,921.26) 2636.77,921.26 2640.64,925.13 3017.11,925.13 3372.57,569.68 5056.57,569.68 5226.45,739.56 5289.64,739.56 5292.98,736.22 IC15.48@5306.1,736.22 ; IC4.D13@2972.99,2660.46 2972.99,2662.17 2984.92,2674.1 v1(2984.92,2675.81)
  Bottom Layer w5: v1(2187.85,1374.02) 2187.85,1371.11 2191.72,1367.23 2191.72,1344.01 2610.61,925.13 v1@2627.08,925.13 ; v1@2973,2822.98 2973,2744.54 2973.37,2744.17 2973.37,2732.83 2981.15,2725.05 2981.15,2686.89 2982.87,2685.17 2982.87,2677.86 v1(2984.92,2675.81)
125M_CLK_N: C45.1 C50.1 R55.2 Y2.5 | length 136.2
  Top Layer w5: Y2.5@2935,3486.28 2945.22,3496.5 2945.22,3515.22 2958.5,3528.5 R55.2@2958.5,3547.98 2967.42,3556.89 2967.42,3575.27 v1(2967.73,3575.59)
  Bottom Layer w5: C50.1@2965,3546.76 2971.36,3553.12 2971.36,3556.55 2971.84,3557.03 2971.84,3568.58 2967.73,3572.68 v1(2967.73,3575.59)
125M_CLK_P: C44.1 C48.1 R56.2 Y2.4 | length 135.5
  Top Layer w5: Y2.4@2985,3486.28 2982.19,3489.1 2982.19,3532.88 2996.5,3547.19 R56.2@2996.5,3547.98 2988.94,3555.54 v1(2988.94,3576.19)
  Bottom Layer w5: v1(2988.94,3576.19) 2988.94,3573.29 2984.84,3569.18 2984.84,3557.91 2995,3547.74 C48.1@2995,3546.76
C_N: C170.1 IC13.10 R60.1 | length 1370.1
  Top Layer w5: v1@5258.75,1343.11 5292.92,1343.11 IC13.10@5295.28,1345.47 ; C170.1@5746.85,562.01 5747.76,562.01 5754.12,568.37 5754.12,572.58 5757.05,575.51 5775.44,575.51 5778.37,572.58 5778.37,572.42 5787.28,563.5 R60.1@5788.07,563.5 5788.86,563.5 5797.78,572.42 5797.78,572.58 5800.7,575.51 v1@5812.12,575.51
  Bottom Layer w5: v1(5251.97,1346.99) 5249.06,1346.99 5245.19,1343.11 5222.37,1343.11 5195.66,1316.41 5195.66,1150.8 5224.41,1122.05 5276.72,1069.74 5276.72,811.19 5280.53,807.39 5329.39,758.52 5388.32,699.6 5604.85,699.6 5624.54,679.91 5649.05,679.91 5753.45,575.51 5812.12,575.51 5815.99,571.63 v1(5818.9,571.63)
C_P: C167.1 IC13.11 R60.2 | length 1367.6
  Top Layer w5: v1@5258.75,1330.11 5292.92,1330.11 IC13.11@5295.28,1327.76 ; C167.1@5746.85,602.01 5747.76,602.01 5754.12,595.65 5754.12,591.44 5757.05,588.51 5775.44,588.51 5778.37,591.44 5778.37,591.59 5787.28,600.51 R60.2@5788.07,600.51 5788.86,600.51 5797.78,591.59 5797.78,591.44 5800.7,588.51 v1@5812.12,588.51
  Bottom Layer w5: v1(5251.97,1326.24) 5249.06,1326.24 5245.19,1330.11 5227.75,1330.11 5208.66,1311.02 5208.66,1156.18 5289.72,1075.12 5289.72,816.58 5393.7,712.6 5457.92,712.6 5480.47,712.6 5483.4,715.53 5483.4,733.54 5485.97,736.11 5493.7,736.11 5496.27,733.54 5496.27,715.53 5499.2,712.6 5514.57,712.6 5610.24,712.6 5629.92,692.91 5654.43,692.91 5758.84,588.51 5812.12,588.51 5815.99,592.38 v1(5818.9,592.38)
CFG_CCLK: IC4.E8 IC6.6 IC17.2 | length 2568.5
  Top Layer w10: v1(2800.08,2644.71) 2800.08,2644.55 2815.51,2629.12 IC4.E8@2815.51,2628.96
  L4 w5: v3(3854.33,2196.85) 3907.39,2196.85 3983.22,2272.68 3983.22,2323.86 3972.44,2334.65 3972.44,2350.39 4003.94,2381.89 4003.94,2417.32 ; v1(3996.79,2753.12) 3997.52,2753.85 3997.52,3022.86 v1(3998.26,3023.6) ; 4002.8,2417.32 4002.8,2581.54 v3(4059.06,2637.8)
  Bottom Layer w5: v1(2800.08,2644.71) 2800.08,2646.14 2909.26,2755.32 2909.26,2755.58 2905.45,2759.4 2905.45,2772.13 2909.68,2776.37 2909.68,2803.89 2939.71,2833.92 2939.71,2951.52 3015.75,3027.56 3995.33,3027.56 3998.26,3024.63 v1(3998.26,3023.6) ; IC17.2@3807.09,2196.85 v3(3854.33,2196.85) ; v1(3996.79,2753.12) 4055,2694.9 v3@4055,2641.37 ; IC6.6@4000.55,2628.02 4028.22,2628.02 4028.63,2627.6 4041.23,2627.6 v3@4055,2641.37 ; v3(4059.06,2637.8) 4058.58,2637.8 v3@4055,2641.37
CFG_TCK: D2.3 IC4.F8 IC31.4 J6.6 | length 4938.4
  Top Layer w5: v1(2380,2850) 2476.77,2850 2490.13,2836.64 2518.56,2836.64 2558.09,2836.63 2741.34,2836.64 v1(2775,2802.98) ; D2.3@2464.45,3529.91 2464.45,3640.02 2470,3645.58 v1(2470,3707.98) ; v1(4830,2892.98) 4830,2877.98 4840,2867.98 IC31.4@4864.57,2867.98
  Top Layer w10: v1(2799.76,2613.21) IC4.F8@2815.51,2597.47
  L3 w5: v1(2380,2850) 2380,3442.98 2470,3532.98 v1(2470,3707.98) ; v1(2775,2802.98) 2784.7,2793.27 2784.7,2628.27 v1(2799.76,2613.21)
  L4 w5: v1(2470,3707.98) 2528.4,3707.98 2729.88,3909.45 3520.11,3909.45 3520.37,3909.7 3566.24,3909.7 3566.5,3909.45 4338.53,3909.45 4415,3832.98 4415,3467.98 4830,3052.98 v1(4830,2892.98)
CFG_TDI: D3.3 IC4.T9 IC31.5 J6.10 | length 5984.6
  Top Layer w5: D3.3@2299.72,3530.38 2300,3530.1 2310,3530.1 v1(2310,3562.98) 2311.26,3564.24 J6.10@2311.26,3644.32 ; v1(4825.37,2857.6) 4825.8,2858.03 4829.94,2858.03 4835.75,2852.23 IC31.5@4864.57,2852.23
  Top Layer w10: v1(2830.24,2265.74) IC4.T9@2847.01,2282.51
  L3 w5: v1(2260,2012.98) 2235,2037.98 2235,2897.98 2310,2972.98 v1(2310,3562.98)
  L4 w5: v1(2310,3562.98) 2420,3672.98 2610,3672.98 2836.47,3899.45 3524.26,3899.45 3524.51,3899.7 3562.1,3899.7 3562.36,3899.45 4334.39,3899.45 4400.96,3832.87 4400.96,3442.01 4814.63,3028.35 4814.63,2886.61 4825.37,2875.86 v1(4825.37,2857.6)
  Bottom Layer w5: v1(2260,2012.98) 2280,1992.98 2707.38,1992.98 2775,2060.6 2775,2234.53 2792.16,2251.7 2816.2,2251.7 v1(2830.24,2265.74)
CFG_TDO: D3.2 IC4.T8 IC33.4 J6.8 | length 5978
  Top Layer w5: J6.8@2390,3644.32 v1(2390,3562.98) 2390,3530.65 D3.2@2390.28,3530.38 ; v1(4830,2682.98) 4840,2672.98 IC33.4@4864.57,2672.98
  Top Layer w10: v1(2799.76,2268.14) 2800.45,2268.14 2814.82,2282.51 IC4.T8@2815.51,2282.51
  L3 w5: v1(2260,2037.98) 2248.03,2049.95 2248.03,2881.01 2340,2972.98 2340,3512.98 v1(2390,3562.98)
  L4 w5: v1(2390,3562.98) 2480,3652.98 2620,3652.98 2845,3877.98 3531.07,3877.98 3532.8,3879.7 3553.82,3879.7 3555.54,3877.98 4180,3877.98 4215,3842.98 4215,3772.98 4245,3742.98 4245,3488.51 4608.62,3124.9 4608.62,2832.33 4629.09,2811.86 4743.26,2811.86 4830,2725.12 v1(4830,2682.98)
  Bottom Layer w5: v1(2260,2037.98) 2292.29,2005.69 2702.57,2005.69 2759.07,2062.19 2759.07,2232.75 2788.02,2261.7 2790.42,2261.7 2796.86,2268.14 v1(2799.76,2268.14)
CFG_TMS: D2.2 IC4.R8 IC33.5 J6.4 | length 5888.2
  Top Layer w5: J6.4@2547.48,3644.32 2555,3636.8 v1(2555,3562.98) D2.2@2555,3529.91 ; v1(4829.91,2656.67) 4830.19,2656.95 4864.29,2656.95 IC33.5@4864.57,2657.23